# Allegro board 08_038702e.brd (continued)
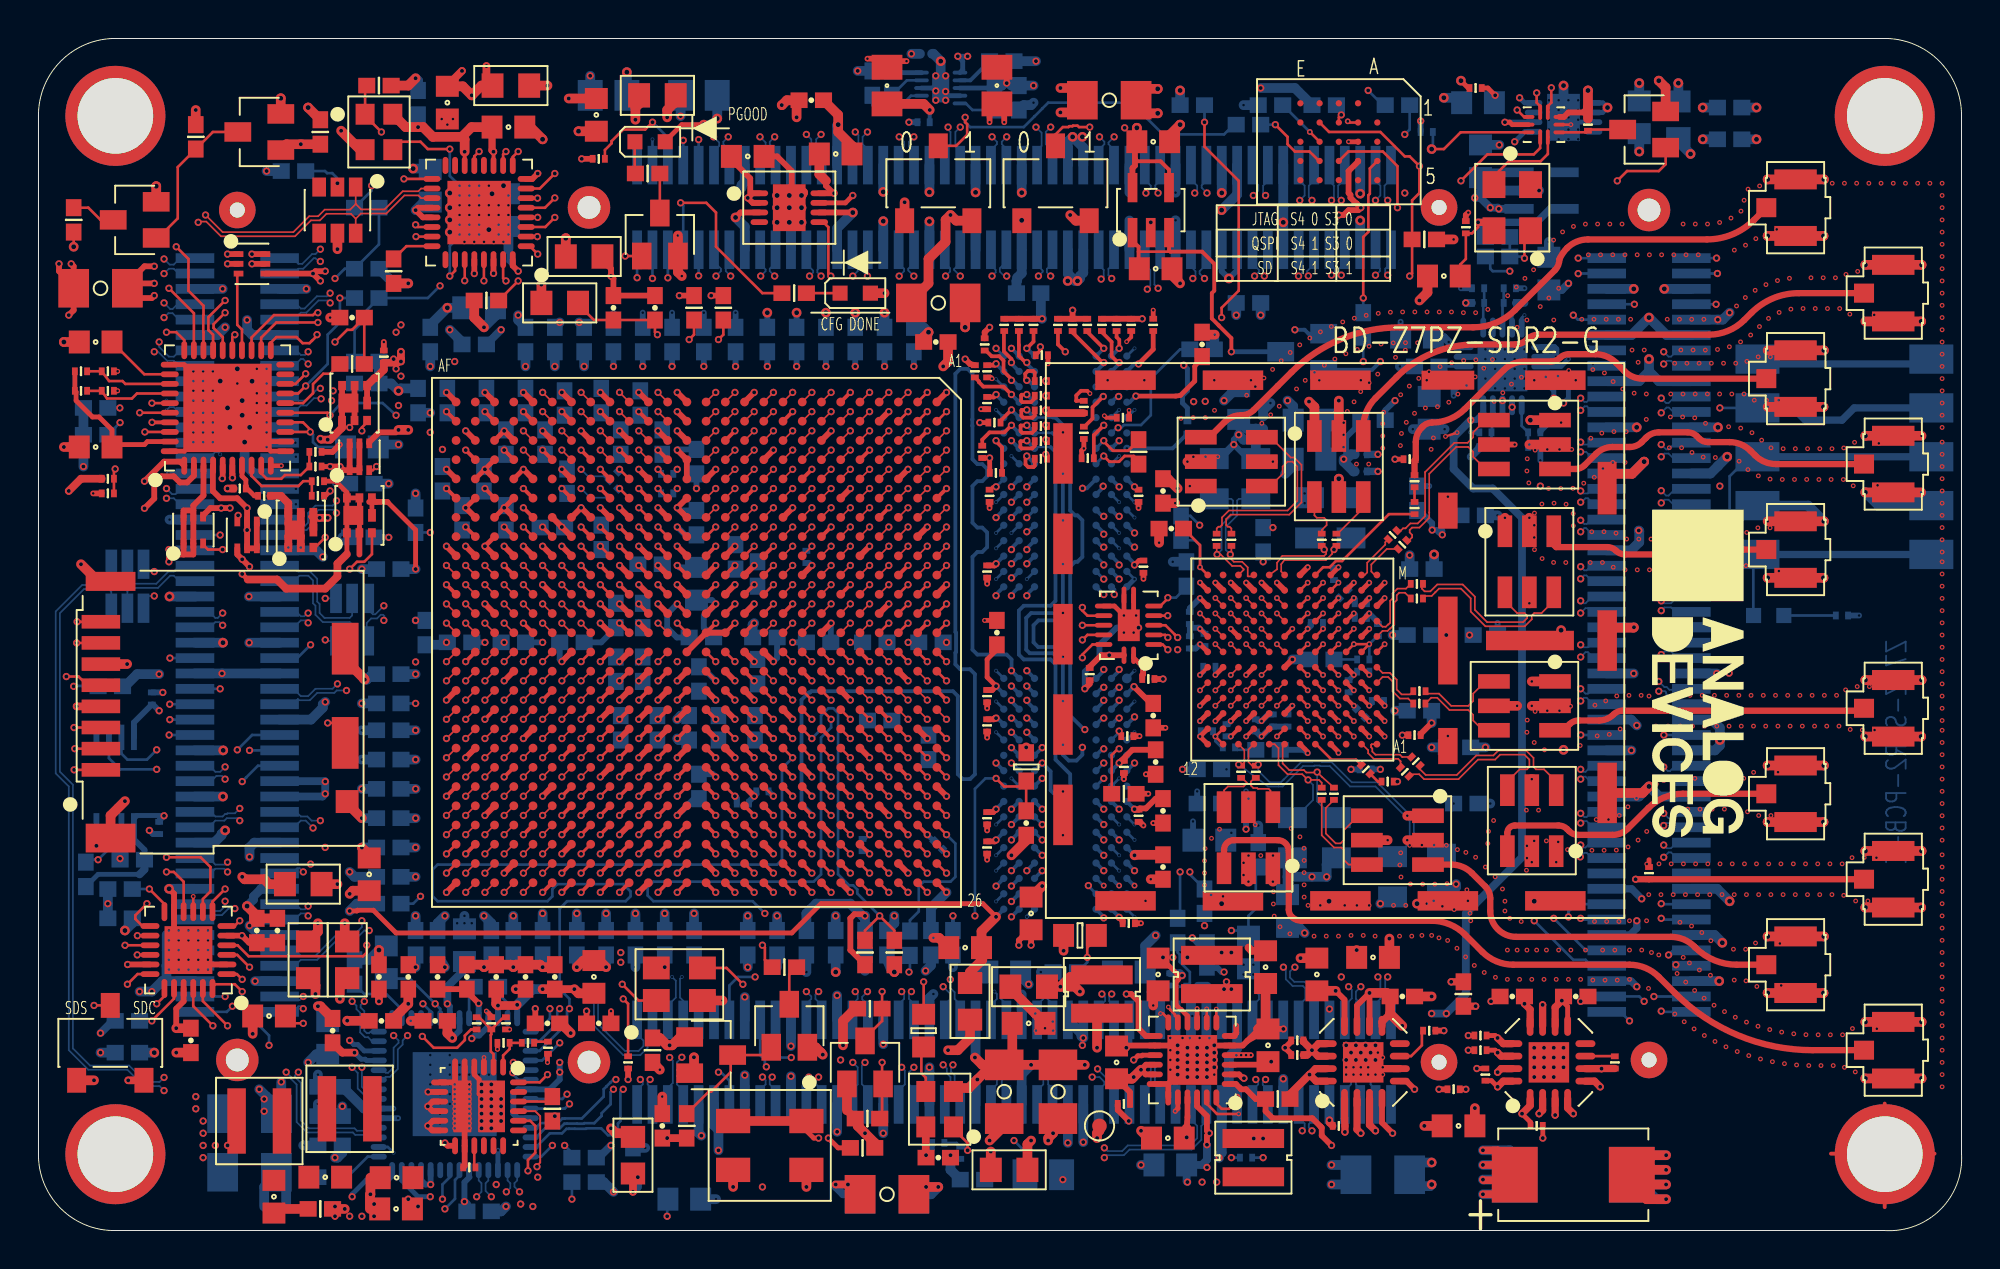
[diagram p0: board, top side]
## Routing (per net, layer and track width the routed paths; a pad name or vN(x,y) marks a point on that pad's centre or on a via; arc(x,y) is an arc through that point) (continued)
  BOTTOM w0.14: U10.30 18.89,11.49 18.09,12.3 16.94,12.3 R50.1
UNNAMED_2_ICUSB3320C_I42_RBIAS: length 2.3
  TOP w0.14: R176.1 19.13,51.19 U15.24
UNNAMED_2_ICUSB3320C_I42_REFCLK: length 4
  TOP w0.14: v1(21.39,49.64) 21.66,49.91 U15.26
  BOTTOM w0.14: R175.1 21.39,51.2 v1(21.39,49.64)
UNNAMED_2_ICXC7Z035_I20_PSMIOVR: length 18
  TOP w0.14: R191.1 44.5,15.6 v1(43.74,16.36) 42.98,15.6 R194.2 ; U1.H18 v1(40.22,25.59)
  BOTTOM w0.14: v1(40.22,25.59) 40.69,26.07 40.69,26.78 41.07,27.16 41.33,27.16 41.58,26.91 41.58,18.53 42.15,17.95 42.37,17.95 42.58,17.74 42.58,17.53 v1(43.74,16.36)
UNNAMED_2_RES_I50_N2: length 6.1
  TOP w0.14: v1(21.39,56.24) 20.25,56.24 19.86,56.62 18.84,56.62 Y3.3
  BOTTOM w0.14: v1(21.39,56.24) 21.39,54.85 22.32,53.92 R175.2
UNNAMED_2_RES_I105_N1: length 2.3
  TOP w0.14: Q4.3 3.23,52.56 2.59,53.19 R18.1
UNNAMED_2_RES_I108_N2: length 8.1
  TOP w0.14: Q4.1 6.22,51.62 7.24,52.64 7.24,55.3 R16.2 9.07,57.13 Q2.3
UNNAMED_2_RES_I112_N1: length 2.1
  TOP w0.14: Q3.3 39.04,13.32 R17.1
UNNAMED_2_RES_I114_N2: length 6.3
  TOP w0.14: R15.2 34.85,7.22 34.98,7.22 35.99,8.24 35.99,9.02 Q1.3 37.7,9.13 Q3.1
UNNAMED_3_ADM1166_I104_A0: length 4.6
  TOP w0.14: U7.33 4.52,44.03 4.37,44.18 3.67,44.18 R38.1 R30.2
UNNAMED_3_ADM1166_I104_A1: length 4.6
  TOP w0.14: R39.2 R40.1 3.56,43.27 4.86,43.27 5.12,43.53 U7.34
UNNAMED_3_ADM1166_I104_DAC1: length 3.2
  TOP w0.14: v1(15.16,42.4) 15.03,42.53 U7.15
  BOTTOM w0.14: R41.1 v1(15.16,42.4)
UNNAMED_3_ADM1166_I104_DAC2: length 4
  TOP w0.14: U7.16 13.76,43.03 14.28,43.55 14.28,44.02 14.81,44.56 15.17,44.56 R42.1
UNNAMED_3_ADM1166_I104_DAC3: length 7.3
  TOP w0.14: U7.17 13.5,43.53 v1(13.9,43.92)
  BOTTOM w0.14: v1(13.9,43.92) 15.04,45.07 15.04,46.59 15.67,47.23 v1(15.67,48.5) R44.1
UNNAMED_3_ADM1166_I104_DAC4: length 15.3
  TOP w0.14: U7.18 13.37,44.03 v1(13.9,44.56)
  L3_SIG w0.095: v1(17.32,54.34) 16.69,54.34 13.94,51.58 13.94,49.44 14.27,49.11 14.27,48.83 14.02,48.59 14.02,46.34 14.66,45.7 14.66,45.07 14.28,44.69 14.02,44.69 v1(13.9,44.56)
  BOTTOM w0.14: v1(17.32,54.34) 17.32,54.08 R45.1
UNNAMED_3_ADM1166_I104_VCCP: length 3.7
  TOP w0.14: U7.32 5.5,44.53 C204.1
UNNAMED_3_ICN25Q256AV2_I216_RES: length 8.2
  TOP w0.14: U13.A4 69.23,55.23 69.23,53.92 69.15,53.84 69.15,51.94 68.89,51.67 v1(68.89,48.5)
  BOTTOM w0.14: R19.2 v1(68.89,48.5)
UNNAMED_3_ICXC7Z035_I94_PSCLK50: length 9.4
  TOP w0.14: U1.B24 v1(46.22,19.59) ; R114.2 v1(46.03,12.94)
  L18_SIG w0.095: v1(46.22,19.59) 45.65,19.02 45.65,13.32 v1(46.03,12.94)
UNNAMED_3_ICXC7Z035_I94_PSMIO12: length 7.7
  TOP w0.14: U1.A23 v1(47.22,20.59)
  BOTTOM w0.14: v1(47.22,20.59) 47.68,20.13 47.68,18.4 47.42,18.14 46.03,18.14 45.77,17.89 45.77,16.59 45.32,16.14 R60.1
UNNAMED_3_RES_I9_N1: length 2.5
  TOP w0.14: Y1.3 46.14,7.95 45.91,8.18 45.91,9.43 R114.1
UNNAMED_3_RES_I30_N2: length 19.3
  TOP w0.14: S3.2 52.88,57 53.27,57.39 53.55,57.39 53.6,57.43 53.77,57.43 53.8,57.46 54.03,57.46 54.1,57.39 v1(54.66,57.39)
  L6_SIG w0.095: v1(69.14,59.29) 64.7,59.29 63.93,58.53 58.85,58.53 58.6,58.78 56.06,58.78 v1(54.66,57.39)
  BOTTOM w0.14: R121.2 69.9,58.53 v1(69.14,59.29)
UNNAMED_3_RES_I33_N2: length 18.6
  TOP w0.14: S4.2 47.72,56.41 48.29,56.98 48.29,57.54 48.19,57.64 v1(48.19,57.89)
  BOTTOM w0.14: 62.28,57.51 62.16,57.51 61.65,57 58.47,57 56.82,58.66 52.5,58.66 52.19,58.34 52.19,58.34 51.8,57.95 51.8,57.95 51.23,57.39 48.44,57.39 48.19,57.64 v1(48.19,57.89)
UNNAMED_3_RES_I237_N2: length 2.9
  TOP w0.14: v1(48.31,4.17) 48.31,4.55 47.58,5.29 Y1.1
  BOTTOM w0.14: R76.2 47.74,4.55 R77.1 48.12,4.36 v1(48.31,4.17)
UNNAMED_4_CN100PODDEVEN_I16_N4: length 6.8
  BOTTOM w0.089: JP3.2 16.31,31.52 16.18,31.64 14.78,31.64 14.4,32.02 14.4,32.49 14.28,32.62 14.28,33.81 14.03,34.06 13.57,34.06 13.29,33.77 JX3.58
UNNAMED_4_CN100PODDEVEN_I16_N5: length 6.8
  BOTTOM w0.089: JX3.60 13.21,34.57 13.51,34.27 14.12,34.27 14.49,33.9 14.49,32.71 14.62,32.58 14.62,32.11 14.87,31.86 16.18,31.86 16.31,31.99 JP4.2
UNNAMED_4_CN100PODDEVEN_I17_N4: length 4.9
  BOTTOM w0.089: JP1.2 4.62,33.25 4.79,33.42 6.22,33.42 6.85,34.06 7.04,34.06 7.32,33.77 JX3.57
UNNAMED_4_CN100PODDEVEN_I17_N5: length 4.8
  BOTTOM w0.089: JX3.59 7.34,34.57 7.04,34.27 6.76,34.27 6.13,33.64 4.75,33.64 4.62,33.76 JP2.2
UNNAMED_5_ICMT41K256M16_I195_ZQ: length 3.1
  TOP w0.14: v1(56.19,25.05) 56.13,25.05 55.81,24.73 R165.1
  BOTTOM w0.14: v1(56.19,25.05) 56.13,25.05 U2.L8
UNNAMED_5_ICMT41K256M16_I196_ZQ: length 7
  BOTTOM w0.14: R166.1 59.36,45.83 57.84,44.3 57.84,42.4 57.33,41.89 56.44,41.89 56.3,41.75 v1(56.14,41.75) 56.07,41.75 U3.L8
UNNAMED_5_ICTPS51206_I120_S3: length 3.4
  BOTTOM w0.14: R222.2 43.36,58.53 43.49,58.4 44.86,58.4 45.14,58.67 45.14,58.78 45.37,59.02 U14.7
UNNAMED_5_ICTPS51206_I120_S5: length 1.9
  BOTTOM w0.14: U14.9 45.16,59.82 R221.2
UNNAMED_5_ICTPS51206_I120_VLDOI: length 2
  BOTTOM w0.203: U14.2 48.46,59.82 R6.2
UNNAMED_5_ICTPS51206_I120_VTTSN: length 1.9
  BOTTOM w0.14: U14.5 48.22,58.62 48.57,58.27 R161.2
UNNAMED_5_ICXC7Z035_I146_PSDD_1: length 14.7
  TOP w0.14: U1.W21 v1(28.22,22.59)
  L4_SIG w0.095: v1(19.61,27.41) 20.12,27.41 20.75,28.05 21.16,28.05 21.56,28.45 21.56,28.47 22.15,29.06 23.42,29.06 23.88,28.61 23.88,26.45 27.07,23.25 27.08,23.25 27.23,23.1 27.71,23.1 v1(28.22,22.59)
  BOTTOM w0.14: R135.1 v1(19.61,27.41)
UNNAMED_5_ICXC7Z035_I146_PSDDRV: length 13.5
  TOP w0.14: U1.V21 v1(29.22,22.59)
  L17_SIG w0.095: v1(29.22,22.59) 28.83,22.21 26.34,22.21 21.38,17.25 21.07,17.25 20.94,17.38 v1(19.86,17.38)
  BOTTOM w0.14: v1(19.86,17.38) 19.48,17 R134.1
UNNAMED_6_CAP_I20_N1: length 49.4
  TOP w0.14: v1(49.79,23.51) 50.21,23.1 51.11,23.1 51.36,23.35 ; 51.36,23.35 C178.1 ; 51.36,23.35 L12.2 ; U1.M18 v1(36.22,25.59)
  L14_SIG w0.095: v1(36.22,25.59) 36.29,25.59 36.76,25.13 37.48,25.13 37.88,24.73 37.88,24.45 38.07,24.25 38.14,24.25 38.15,24.24 49.07,24.24 v1(49.79,23.51)
  L18_SIG w0.095: v1(50.73,4.68) 49.81,3.77 48.21,3.77 47.72,4.26 45.65,4.26 45.43,4.05 44.76,4.05 44.54,4.26 44.54,9.04 47.93,12.43 47.93,13.95 48.69,14.71 v1(48.69,16.36)
  BOTTOM w0.14: v1(50.73,4.68) 51.3,4.11 C251.1 ; v1(48.69,16.36) 48.69,22.97 49.24,23.51 v1(49.79,23.51)
UNNAMED_6_CAP_I222_N1: length 30.1
  TOP w0.14: v1(32.18,46.59) 32.06,46.72 C190.1 C189.1 28.88,47.35 28.06,48.18 E1.2 ; U1.M14 v1(36.22,29.59)
  L15_SIG w0.095: v1(36.22,29.59) 35.72,30.08 32.95,30.08 32.55,29.69 32.55,29.45 32.36,29.25 32,29.25 31.55,29.69 31.55,29.73 31.36,29.93 31.32,29.93 29.88,31.37 29.88,43.77 31.08,44.98 31.08,45.08 31.28,45.28 31.38,45.28 32.18,46.08 v1(32.18,46.59)
UNNAMED_6_CAP_I222_N2: length 33
  TOP w0.203: U1.N13 v1(35.22,31.59) ; U1.M13 v1(36.22,31.59)
  TOP w0.305: C190.2 C189.2 29.9,49.51 v1(29.77,49.64) 29.77,50.02 29.33,50.46 E12.2 ; U1.P14 U1.N13 U1.M13
  L18_SIG w0.254: v1(29.77,49.64) 29.77,47.73 32.06,45.45 32.06,44.69 32.69,44.05 33.45,44.05 33.96,43.54 33.96,39.61 33.45,39.1 33.05,39.1 32.8,38.84 32.8,38.57 32.24,38.01 32.04,38.01 31.8,37.76 31.8,37.57 31.8,37.57 31.8,35.41 32.04,35.17 32.05,35.17 32.18,35.03 33.71,35.03 33.96,34.78 33.96,33.51 34.72,32.75 34.72,32.08 v1(35.22,31.59) v1(36.22,31.59)
UNNAMED_6_DIOLED_I280_N: length 1.8
  TOP w0.14: D4.C R172.1
UNNAMED_6_ICXC7Z035_I180_CFGBVS: length 12.4
  TOP w0.14: U1.T7 v1(31.22,37.59) ; R167.2 34.09,46.59 v1(33.83,46.34)
  L15_SIG w0.095: v1(33.83,46.34) 33.33,46.34 30.66,43.67 30.66,38.14 v1(31.22,37.59)
UNNAMED_6_ICXC7Z035_I180_PROGRA: length 0.7
  TOP w0.14: U1.V9 v1(29.22,35.59)
UNNAMED_7_CAP_I123_N2: length 1
  TOP w0.14: U1.R6 v1(32.22,38.59)
  BOTTOM w0.14: v1(32.22,38.59) 32.37,38.43 C47.2
UNNAMED_7_CAP_I124_N2: length 0.7
  TOP w0.14: U1.U5 v1(30.22,39.59)
UNNAMED_7_CAP_I125_N2: length 1
  TOP w0.14: U1.R5 v1(32.22,39.59)
  BOTTOM w0.14: C45.2 32.37,39.43 v1(32.22,39.59)
UNNAMED_7_CAP_I126_N2: length 0.7
  TOP w0.14: U1.U6 v1(30.22,38.59)
UNNAMED_7_ICXC7Z035_I94_MGTRREF: length 6.6
  TOP w0.14: U1.AB8 v1(25.22,36.59)
  L17_SIG w0.095: v1(25.22,36.59) 25.22,36.57 24.69,36.05 21.13,36.05 20.88,36.3 v1(20.37,36.3)
  BOTTOM w0.14: R10.2 v1(20.37,36.3)
UNNAMED_8_AD9361_I22_RBIAS: length 0.9
  TOP w0.14: v6(67.6,33.69) U17.L4
  BOTTOM w0.14: v6(67.6,33.69) 67.46,33.83 R125.1
UNNAMED_8_AD9361_I22_RXVCOLDOOU: length 3.4
  TOP w0.14: U17.G3 v6(68.4,30.49) v6(69.2,30.49) U17.G2
  BOTTOM w0.14: R124.1 69.2,30.49 v6(69.2,30.49) 69.61,30.91 C13.1
UNNAMED_8_CAP_I19_N1: length 1.2
  BOTTOM w0.14: R124.2 C12.1
UNNAMED_8_CAP_I51_N1: length 1.1
  BOTTOM w0.14: C105.1 62.35,25 R123.2
UNNAMED_8_CAP_I135_N1: length 8.9
  TOP w0.089: C8.1 70.84,36.4 70.96,36.52 71.08,36.52 71.34,36.77 71.72,36.77 72.1,37.16 72.1,37.24 72.1,39.44 73.62,40.96 74.31,40.96 74.6,41.26 74.6,41.51 75.24,42.15 T1.6
UNNAMED_8_CAP_I136_N1: length 8.9
  TOP w0.089: C9.1 71.17,35.92 71.3,35.92 71.43,36.05 71.43,36.18 71.3,36.3 71.3,36.43 71.43,36.56 71.81,36.56 72.32,37.07 72.32,37.33 72.32,39.35 73.71,40.75 74.35,40.75 74.6,40.49 74.6,40.24 75.24,39.61 T1.4
UNNAMED_8_CAP_I137_N1: length 9.3
  TOP w0.089: C10.1 71.84,23.98 72.13,23.69 73.75,23.69 74.77,24.71 75.65,24.71 75.91,24.96 77.36,24.96 77.74,24.58 77.74,24.11 77.87,23.98 78.28,23.98 78.92,23.35 T3.6
UNNAMED_8_CAP_I138_N1: length 9.3
  TOP w0.089: T3.4 76.38,23.35 77.01,23.98 77.4,23.98 77.52,24.11 77.52,24.49 77.27,24.75 76,24.75 75.74,24.49 74.86,24.49 73.84,23.48 72.04,23.48 71.79,23.73 71.37,23.73 C11.1
UNNAMED_8_CAP_I199_N1: length 0.8
  TOP w0.14: R2.2 69.65,23.35 C7.1
UNNAMED_8_CAP_I200_N1: length 0.8
  TOP w0.14: R1.2 C6.1
UNNAMED_8_CAP_I209_N2: length 2.5
  TOP w0.089: T5.6 66.35,37.19 66.47,37.07 66.85,37.07 66.98,36.94 66.98,36.68 66.73,36.43 C25.2
UNNAMED_8_CAP_I210_N2: length 2.5
  TOP w0.089: 68.89,38.14 68.89,37.57 67.55,36.24 C26.2
UNNAMED_8_CAP_I220_N2: length 5.2
  TOP w0.089: C32.2 66.94,21.98 66.94,20.65 67.45,20.14 67.71,20.14 67.87,20.3 67.87,20.81 68.63,21.57 T7.6
UNNAMED_8_CAP_I221_N2: length 5.1
  TOP w0.089: T7.4 68.12,19.03 67.87,19.29 67.87,19.79 67.74,19.92 67.36,19.92 66.73,20.56 C33.2
UNNAMED_8_CAP_I263_N1: length 4.6
  TOP w0.089: T4.6 75.24,28.56 74.6,27.92 74.6,27.54 74.35,27.29 73.46,27.29 72.82,27.92 72.25,27.92 C53.1
UNNAMED_8_CAP_I264_N1: length 4.6
  TOP w0.089: T4.4 75.11,26.02 74.6,26.52 74.6,26.82 74.35,27.07 73.37,27.07 72.73,27.71 72.42,27.71 C56.1
UNNAMED_8_CAP_I265_N1: length 9.3
  TOP w0.089: C51.1 71.93,33.57 71.93,33.38 72.07,33.24 72.38,33.24 72.73,33.6 74.06,33.6 74.69,32.96 74.69,32.28 75.33,31.64 77.2,31.64 77.4,31.85 77.4,31.98 77.27,32.11 76.89,32.11 76.25,32.75 T2.6
UNNAMED_8_CAP_I266_N1: length 9.3
  TOP w0.089: C52.1 72.12,33 72.44,33 72.64,33.2 72.82,33.38 73.97,33.38 74.47,32.87 74.47,32.19 75.24,31.43 77.29,31.43 77.65,31.79 77.65,31.99 77.78,32.11 78.16,32.11 78.79,32.75 T2.4
UNNAMED_8_CAP_I272_N2: length 9.8
  TOP w0.089: C29.2 61.27,36.51 61.36,36.6 61.45,36.6 61.54,36.69 61.54,37.08 61.9,37.45 64.95,37.45 65.46,37.95 65.46,39.73 65.2,39.99 64.95,39.99 64.7,39.73 64.7,39.35 64.06,38.72 T6.6
UNNAMED_8_CAP_I273_N2: length 9.8
  TOP w0.089: T6.4 64.06,41.26 65.11,40.2 65.29,40.2 65.67,39.82 65.67,37.86 65.04,37.23 61.99,37.23 61.76,36.99 61.76,36.69 61.84,36.6 61.94,36.6 62.03,36.51 C30.2
UNNAMED_8_CAP_I284_N2: length 2.7
  TOP w0.089: C35.2 62.58,23.54 62.83,23.29 62.83,23.22 62.79,23.22 62.66,23.1 61.85,23.1 61.65,22.89 T8.4
UNNAMED_8_CAP_I285_N2: length 2.6
  TOP w0.089: T8.6 64.06,22.14 64.06,22.88 63.97,22.97 63.41,22.97 63.37,23.01 63.17,23.01 63.04,23.14 63.04,23.35 63.23,23.54 C34.2
UNNAMED_8_CNBNC3P_I244_CNTR: length 17.2
  TOP w0.33: RX1A.1 90.34,39.86 arc(89.76,39.97) 89.27,40.3 89.02,40.55 arc(88.52,40.89) 87.94,41 86.81,41 arc(86.56,41.05) 86.35,41.19 86.22,41.32 arc(86.01,41.46) 85.76,41.51 84.25,41.51 arc(83.9,41.44) 83.6,41.24 83.55,41.19 83.36,41 arc(83.08,40.81) 82.75,40.75 81.84,40.75 arc(81.38,40.66) 80.99,40.4 80.39,39.79 arc(80.18,39.65) 79.94,39.61 T1.3
UNNAMED_8_CNBNC3P_I245_CNTR: length 15.5
  TOP w0.33: RX2A.1 85.49,22.71 arc(84.53,22.52) 83.72,21.98 82.64,20.9 arc(82.28,20.66) 81.85,20.57 80.06,20.57 arc(79.81,20.62) 79.6,20.77 79.48,20.88 arc(79.28,21.02) 79.05,21.06 76.76,21.06 arc(76.49,20.95) 76.38,20.68 T3.3
UNNAMED_8_CNBNC3P_I246_CNTR: length 29.2
  TOP w0.33: TX1A.1 91.53,48.75 arc(90.2,48.49) 89.08,47.73 88.7,47.35 arc(87.85,46.79) 86.86,46.59 78.01,46.59 arc(77.68,46.52) 77.4,46.34 arc(77.11,46.15) 76.78,46.08 74.73,46.08 arc(72.5,45.64) 70.61,44.38 69.52,43.29 arc(69.05,42.59) 68.89,41.76 68.89,41.32
UNNAMED_8_CNBNC3P_I247_CNTR: length 20.2
  TOP w0.33: TX2A.1 88.3,13.82 arc(87.14,14.06) 86.16,14.71 86.1,14.77 arc(85.54,15.14) 84.89,15.27 76.84,15.27 arc(75.88,15.67) 75.49,16.62 75.49,17.28 arc(75.42,17.61) 75.24,17.89 74.54,18.59 arc(74.05,18.92) 73.46,19.03 T7.3
UNNAMED_8_CNBNC3P_I254_CNTR: length 12
  TOP w0.33: RX1B.1 88.65,35.41 arc(88.5,35.39) 88.38,35.3 arc(88.22,35.2) 88.03,35.16 82.51,35.16 arc(82.24,35.21) 82.02,35.36 arc(81.82,35.49) 81.59,35.54 78.92,35.54 78.79,35.67 T2.3
UNNAMED_8_CNBNC3P_I261_CNTR: length 16.4
  TOP w0.33: RX2B.1 94.8,27.03 82.36,27.03 arc(82.11,26.98) 81.9,26.84 arc(81.55,26.61) 81.14,26.52 80.08,26.52 arc(79.83,26.47) 79.62,26.33 79.3,26.02 T4.3
UNNAMED_8_CNBNC3P_I278_CNTR: length 33.8
  TOP w0.33: T6.3 60.89,41.26 61.67,42.04 arc(62.07,42.31) 62.54,42.4 arc(62.89,42.47) 63.19,42.67 64.44,43.92 65.15,44.64 arc(67.74,46.36) 70.79,46.97 74.6,46.97 arc(75.78,47.21) 76.78,47.88 78.85,49.94 arc(79.02,50.2) 79.09,50.51 arc(79.26,50.82) 79.49,51.09 arc(79.98,51.43) 80.57,51.54 86.76,51.54 arc(88.08,51.81) 89.21,52.56 TX1B.1
UNNAMED_8_CNBNC3P_I290_CNTR: length 40.3
  TOP w0.33: TX2B.1 92.25,9.38 arc(88.38,10.15) 85.1,12.34 84.25,13.2 arc(83.55,13.66) 82.73,13.82 76.69,13.82 arc(75.82,14) 75.08,14.49 74.18,15.39 arc(73.38,15.92) 72.44,16.11 65.68,16.11 arc(65.4,16.17) 65.16,16.32 arc(65.05,16.49) 65.01,16.68 65.01,19.73 arc(64.85,20.13) 64.44,20.3 62.16,20.3 arc(61.8,20.15) 61.65,19.79 T8.3
UNNAMED_8_CNBNC3P_I292_CNTR: length 22.2
  TOP w0.33: R1.1 71.55,40.05 R101.1 71.62,41 arc(71.7,41.41) 71.93,41.76 72,41.83 arc(72.21,41.97) 72.46,42.02 arc(73.38,42.2) 74.17,42.73 76.19,44.75 arc(76.68,45.08) 77.26,45.19 78.65,45.19 arc(78.9,45.24) 79.11,45.38 arc(79.32,45.52) 79.57,45.57 80.96,45.57 arc(81.54,45.46) 82.03,45.13 82.48,44.69 arc(82.9,44.4) 83.4,44.3 TXM1.1
UNNAMED_8_CNBNC3P_I294_CNTR: length 26.4
  TOP w0.33: v1(83.05,18.27) TXM2.1
  L2_GND w0.14: v1(70.66,23.35) 71.3,22.71 71.93,22.71 76.38,18.27 v1(83.05,18.27)
UNNAMED_8_ICFXL4T245_I328_T: length 2.2
  TOP w0.14: U22.6 58.33,32.48 58.73,32.87 v1(58.73,32.91)
  BOTTOM w0.14: R59.1 59.69,33.46 59.15,32.91 v1(58.73,32.91)
UNNAMED_9_ADP238X_I1088_BST: length 1.1
  TOP w0.14: U18.15 22.66,3.34 C253.2
UNNAMED_9_ADP238X_I1088_COMP: length 2
  TOP w0.14: C255.1 C256.1 24.5,9.44 24.16,9.11 U18.1
UNNAMED_9_ADP238X_I1088_RT: length 1.9
  TOP w0.14: R78.1 26.46,6.71 U18.22
UNNAMED_9_ADP238X_I1088_SS: length 13.7
  TOP w0.14: v1(26.47,8.11) 26.07,7.71 U18.24
  L3_SIG w0.095: v1(32.69,0.74) 32.18,1.25 32.18,2.65 31.55,3.28 29.52,3.28 28.5,4.3 28.5,4.93 26.85,6.59 26.85,7.73 v1(26.47,8.11)
  BOTTOM w0.14: C252.1 32.69,1.59 v1(32.69,0.74)
UNNAMED_9_ADP238X_I1088_SW1: length 9.7
  TOP w0.102: v2(22.4,7.6) 22.04,7.23 U18.PAD2
  TOP w0.305: U18.5 22.16,6.58 U18.PAD2 ; 21.66,7.73 21.66,6.83 U18.PAD2 ; 21.66,7.73 U18.6 ; 21.66,7.73 21.64,7.71 U18.7 ; C253.1 22.16,3.36 U18.14 22.16,6.33 U18.PAD2
  vias: v2(21.64,7.6) v2(21.64,7.35) v2(21.64,7.09) v2(21.64,6.84) v2(21.64,6.59) v2(21.64,6.33) v2(21.64,6.08) v2(21.64,5.82) v2(21.64,5.57) v2(21.64,5.32) v2(22.4,7.35) v2(22.4,7.09) v2(22.4,6.84) v2(22.4,6.59) v2(22.4,6.33) v2(22.4,6.08) v2(22.4,5.82) v2(22.4,5.57) v2(22.4,5.32) v3(22.02,7.6) v3(22.02,7.22) v3(22.02,6.84) v3(22.02,6.46) v3(22.02,6.08) v3(22.02,5.7) v3(22.02,5.32)
UNNAMED_9_ADP238X_I1088_VREG: length 11.9
  TOP w0.14: v2(23.17,9) 23.16,8.99 U18.3
  L2_GND w0.203: v3(23.17,8.57) v2(23.17,9)
  L17_SIG w0.095: v3(23.17,8.57) 23.17,8.49 25.33,6.33 25.33,3.46 25.11,3.25 25.11,2.97 25.33,2.75 25.33,2.27 25.96,1.63 v1(27.74,1.63)
  BOTTOM w0.14: C254.1 v1(27.74,1.63)
UNNAMED_9_ADP1754_I1076_SS: length 2.2
  TOP w0.14: U19.7 71.37,9.07 71.93,9.63 71.93,10.33 C311.1
UNNAMED_9_ADP1754_I1077_SS: length 1.5
  TOP w0.14: U20.7 81.96,9.07 C340.1
UNNAMED_9_CAP_I1113_N2: length 1.9
  TOP w0.508: R80.1 12.46,1.12 C257.2
UNNAMED_9_CAP_I1135_N2: length 0.7
  TOP w0.14: C255.2 25.82,9.81 25.9,9.82 R79.1
UNNAMED_9_DIOLED_I1083_N: length 1.7
  TOP w0.14: R113.1 31,55.01 31,56.62 D3.C
UNNAMED_9_RES_I987_N2: length 2.1
  TOP w0.14: 32.31,54.97 Q14.3
UNNAMED_10_AD7291_I1_AS0: length 2.1
  BOTTOM w0.14: R66.1 R65.2 75.13,48.19 U24.11
UNNAMED_10_AD7291_I1_AS1: length 2.1
  BOTTOM w0.14: U24.13 76.13,48.18 R63.2 R64.1
UNNAMED_10_AD7291_I1_DCAP: length 1.3
  BOTTOM w0.14: U24.8 C133.1
UNNAMED_10_AD7291_I1_VIN3: length 2.3
  BOTTOM w0.14: R67.2 R68.1 77.13,41.84 U24.1
UNNAMED_10_AD7291_I1_VIN6: length 2.2
  BOTTOM w0.14: U24.4 75.63,42.24 75.58,42.19 75.58,41.54 R62.1 R61.2
UNNAMED_10_AD7291_I1_VREF: length 2.2
  BOTTOM w0.14: C158.1 72.99,44.05 73.2,44.05 73.59,44.44 U24.7
UNNAMED_10_ADG772_I61_D1: length 45.4
  TOP w0.14: U5.2 78.08,56.3 77.75,55.96 75.34,55.96 v1(73.97,54.59)
  L7_SIG w0.095: v1(73.97,54.59) 73.08,55.48 72.44,55.48 71.62,56.31 71.62,57.19 71.43,57.39 70.16,57.39 69.52,56.75 65.71,56.75 64.44,58.02 63.81,58.02 63.43,57.64 63.43,56.37 63.93,55.86 64.57,55.86 65.33,55.1 65.33,53.8 65.18,53.65 65.18,49.5 65.33,49.35 65.33,47.35 64.06,46.08 61.65,46.08 61.14,45.57 61.14,42.53 60.89,42.27 60.89,37.83 60.38,37.32 v1(60.38,36.68)
  BOTTOM w0.14: v1(60.38,36.68) 59.89,37.17 C216.1
UNNAMED_10_ADG772_I61_IN1: length 3.3
  TOP w0.14: Q6.3 80.63,57.26 R33.2 80.49,57.11 U5.4
UNNAMED_10_ADG772_I61_S1B: length 4.6
  TOP w0.14: U5.3 78.48,55.99 78.11,55.61 76.46,55.61 75.68,54.84 Y4.3
UNNAMED_10_ADM7160_I78_VOUT: length 10.1
  TOP w0.14: v1(74.86,52.43) 74.86,52.18 74.54,51.86 C113.1 74.22,50.53 73.93,50.24 C5.1
  TOP w0.381: Y4.4 75.25,52.43 v1(74.86,52.43)
  BOTTOM w0.381: R55.1 75.24,52.05 v1(74.86,52.43) 77.9,52.43 78.6,53.13 U8.5
UNNAMED_10_CN10PAB_I48_N5A: length 9.3
  BOTTOM w0.381: P1.B5 98.17,45.07 89.64,45.07 P1.A5
UNNAMED_10_DIOLED_I52_N: length 2.7
  BOTTOM w0.14: DS1.C R75.1
UNNAMED_10_RES_I53_N2: length 3.4
  TOP w0.14: Y4.1 77.34,51.75 77.27,51.54 v1(77.27,50.57)
  BOTTOM w0.14: R55.2 R54.2 77.18,50.65 v1(77.27,50.57)
USB_ID: length 25.8
  TOP w0.14: U15.23 v1(19.63,51.69)
  L3_SIG w0.095: v1(19.63,51.69) 19.63,47.12 18.09,45.57 18.09,39.35 17.32,38.59 17.32,37.45 16.44,36.56 11.99,36.56 11.52,36.09 10.71,36.09 10.62,36.18 9.45,36.18 v1(9.45,36.17)
  BOTTOM w0.14: JX3.63 v1(9.45,36.17)
USB_OTG_CPEN: length 20.5
  TOP w0.14: U15.17 v1(19,54.69)
  L3_SIG w0.095: v3(14.02,38.46) 14.15,38.59 14.19,38.59 14.78,39.18 14.78,39.86 15.8,40.88 15.8,44.2 16.08,44.48 16.08,51.76 v1(19,54.69)
  L19_GND w0.203: v3(14.02,38.46) 13.91,38.57 v4(13.39,38.57)
USB_OTG_N: length 32.1
  TOP w0.089: 16.5,52.62 16.77,52.89 18.09,52.89 19.03,53.83 19.76,53.83 19.9,53.69 U15.19 ; 16.5,52.62 U16.6 ; 16.5,52.62 16.5,52.63 16.24,52.88 14.97,52.88 14.63,52.53 14.17,52.53 13.34,51.71 9.49,51.71 8.73,52.47 8.35,52.47 v1(8.31,52.43)
  L3_SIG w0.089: v1(6.66,38.59) 6.91,38.34 7.04,38.34 7.16,38.46 7.29,38.46 7.42,38.34 7.55,38.34 8.69,39.48 8.69,52.31 8.56,52.43 v1(8.31,52.43)
  BOTTOM w0.089: v1(6.66,38.59) 6.95,38.3 7.13,38.3 7.4,38.57 JX3.69
USB_OTG_P: length 32.2
  TOP w0.089: 16.5,53.39 U16.1 ; 16.5,53.39 16.5,53.38 16.21,53.09 14.89,53.09 14.54,52.75 14.08,52.75 13.25,51.92 9.58,51.92 v1(8.69,52.81) ; 16.5,53.39 16.78,53.11 18,53.11 18.94,54.05 19.76,54.05 19.9,54.19 U15.18
  L3_SIG w0.089: v1(6.66,38.08) 7.65,38.08 8.94,39.37 8.94,52.56 v1(8.69,52.81)
  BOTTOM w0.089: v1(6.66,38.08) 7.04,38.08 7.35,37.77 JX3.67
USB_VBUS_OTG: length 19.7
  TOP w0.14: U15.22 19.73,52.19 v1(19.61,52.31)
  L3_SIG w0.095: v1(19.61,52.31) 18.85,52.31 17.2,50.65 17.2,39.48 16.69,38.97 15.17,38.97 14.66,38.46 14.53,38.46 v3(14.02,37.95)
  L19_GND w0.203: v4(13.39,37.77) 13.84,37.77 v3(14.02,37.95)
V_0_N: length 39.5
  TOP w0.14: U1.P13 v1(33.22,31.59)
  L18_SIG w0.095: v1(9.7,12.17) 9.7,13.95 10.34,14.59 10.85,14.59 13.51,17.25 14.53,17.25 14.66,17.13 18.09,17.13 19.23,18.27 19.23,18.65 20.12,19.54 20.12,23.73 20.63,24.24 20.63,24.62 21.01,25 22.4,25 22.66,25.25 22.66,25.51 22.88,25.73 22.88,25.73 23.07,25.93 23.08,25.93 23.29,26.14 25.33,26.14 25.88,26.69 25.88,26.73 26.07,26.93 26.11,26.93 26.72,27.54 26.72,30.08 27.61,30.97 32.6,30.97 v1(33.22,31.59)
  BOTTOM w0.14: JX3.3 v1(9.7,12.17)
V_0_P: length 41.7
  TOP w0.14: U1.N14 v1(35.22,29.59)
  L18_SIG w0.095: v1(35.22,29.59) 34.6,30.21 27.99,30.21 27.74,29.95 27.74,27.63 26.36,26.25 26.32,26.25 25.71,25.64 25.71,25.51 25.45,25.25 25.07,25.25 24.88,25.45 24.55,25.45 24.36,25.25 24.07,25.25 23.88,25.45 23.55,25.45 22.09,23.98 21.01,23.98 20.75,23.73 20.75,22.97 20.5,22.71 20.5,18.81 18.57,16.87 17.07,16.87 16.44,16.24 16.44,16 15.79,15.35 13.13,15.35 11.8,14.01 11.8,11.98 11.48,11.67 v1(10.09,11.67)
  BOTTOM w0.14: v1(10.09,11.67) 9.79,11.37 JX3.1
VH: length 75.2
  TOP w0.14: 58.85,50.91 57.2,50.91
  TOP w0.203: C247.1 57.2,50.06 57.2,51.16 56.89,51.48 U23.1 ; U23.3 58.79,50.97 58.85,50.91 60.5,50.91 61.14,50.27 61.14,48.88 61.01,48.75 61.01,47.43 61.37,47.07 61.37,47.07 62.03,46.41 v1(62.03,45.7)
  TOP w0.254: U7.10 v2(12.63,39.78)
  L2_GND w0.406: v2(12.63,39.78) 14.12,39.78 14.53,40.18 v3(14.53,40.49)
  L6_SIG w0.203: v1(62.03,45.7) 58.73,45.7 57.71,44.69 57.38,44.69 57.37,44.67 57.04,44.67 57.03,44.69 49.96,44.69 49.96,44.69 49.63,44.69 49.63,44.69 47.93,44.69 47.17,45.45 39.04,45.45 38.79,45.19 38.79,43.54 38.41,43.17 38.16,43.17 37.63,42.64 37.63,42.41 37.2,41.98 37.05,41.98 36.82,41.75 36.82,41.6 36.2,40.98 36.05,40.98 35.82,40.75 35.82,40.6 35.2,39.98 35.05,39.98 33.82,38.75 33.82,38.6 33.2,37.98 33.05,37.98 32.82,37.75 32.82,37.6 32.2,36.98 32.05,36.98 31.82,36.75 31.82,36.6 31.2,35.98 31.05,35.98 30.82,35.75 30.82,35.6 30.25,35.03 19.99,35.03 16.94,38.08 16.94,39.73 16.18,40.49 v3(14.53,40.49)
  BOTTOM w0.254: D1.3 v1(62.03,45.7)
VTT_0P75: length 43.2
  TOP w0.254: R163.2 v1(49.46,40.18) R162.2 ; R152.2 v1(48.95,42.02) ; R156.2 52.44,40.3 v1(52.38,40.37) ; R149.2 v2(54.36,40.67) 54.24,40.56 R147.2
  TOP w0.305: v1(50.34,59.67) 50.34,60.05 49.9,60.5 C79.1 ; R148.2 R151.2 ; R148.2 v1(53.77,47.86) ; R148.2 R137.2 ; v1(49.46,46.97) 49.2,46.72 R141.2 ; v1(57.39,47.42) R140.2 R145.2 R143.2 ; v1(48.19,45.32) 48.44,45.07 R139.2 ; R144.2 R146.2 R150.2 v1(52.19,47.42)
  TOP w0.406: v1(52.38,42.65) 52.52,42.51 R153.2
  L2_GND w0.406: v1(52.38,40.37) 52.68,40.67 v2(54.36,40.67)
  L10_POWER w0.406: v1(76.63,42.82) 76.2,42.4 75.62,42.4 72.06,45.96 68.25,45.96 67.3,45 v1(59.55,45)
  BOTTOM w0.203: R161.1 49.33,59.42
  BOTTOM w0.254: U24.2 v1(76.63,42.82) ; v1(59.55,45) 59.74,44.81 59.74,43.67 59.49,43.42 59.49,43.03 59.74,42.78 R160.2 ; 49.33,59.42 U14.3
  BOTTOM w0.508: R161.1 50.09,59.54 50.22,59.67 v1(50.34,59.67) 50.47,59.67 50.6,59.54 C80.1 v1(51.74,59.54) ; v1(52.19,47.42) 52.12,47.48 C101.1
  vias: v1(52.38,44.18) v1(52.38,43.42) v1(52.38,41.89) v1(52.38,41.13)
VTTVREF: length 129.8
  TOP w0.14: v1(49.79,38.68) 49.61,38.68 C102.1 ; U1.M21 v1(36.22,22.59) ; U1.K21 v1(38.22,22.59)
  TOP w0.203: v1(56.19,25.98) 56.19,25.91 56.3,25.81 C123.2 ; C122.2 55.53,42.27 v2(55.42,42.37)
  TOP w0.305: v1(49.79,21.91) 49.64,21.76 C103.1
  TOP w0.508: v1(46.34,58.27) 46.03,58.59 C81.1
  L2_GND w0.203: v3(57.2,42.22) 55.86,42.22 55.7,42.37 v2(55.42,42.37)
  L4_SIG w0.102: 56.19,25.91 v1(56.19,25.98) ; v1(49.79,21.91) 49.8,21.91 ; 54.79,22.33 55.04,22.58 55.67,22.58 56.6,23.51
  L4_SIG w0.203: 54.79,22.33 51.16,22.33 51.11,22.29 50.78,22.29 50.76,22.31 50.43,22.31 50.41,22.29 50.17,22.29 49.8,21.91 ; 56.6,23.51 56.6,24.48 56.65,24.53 56.65,25.46 56.19,25.91 ; v3(57.2,42.22) 57.2,42.27 57.58,42.65 61.79,42.65 61.92,42.78 64.31,42.78 64.44,42.65 73.33,42.65 74.09,43.42 75.36,43.42 75.62,43.16 v1(76.13,43.16)
  L9_POWER w0.203: v3(57.2,42.22) 55.86,42.22 55.68,42.4 54.79,42.4 53.65,41.26 53.65,39.86 53.27,39.48 50.6,39.48 49.8,38.68 v1(49.79,38.68)
  L15_SIG w0.203: v3(57.2,42.22) 57.2,41.89 57.22,41.88 57.22,41.65 57.46,41.41 57.46,37.44 56.6,36.58 56.6,34.45 56.69,34.36 56.69,33 55.3,31.6 55.3,30.08 55,29.78 55,28.09 55,28.09 55,27.41 55.23,27.18 55.53,27.18 55.8,26.91 55.8,26.49 56.13,26.16 56.13,26.04 v1(56.19,25.98)
  L15_SIG w0.305: v1(36.22,22.59) 36.66,23.03 37.77,23.03 v1(38.22,22.59) 38.72,22.08 47.42,22.08 47.59,21.91 v1(49.79,21.91)
  L18_SIG w0.203: v1(76.13,43.16) 75.36,43.92 75.36,48.24 76,48.88 76,49.46 76.01,49.48 76.01,49.8 76,49.81 76,50.78 76.76,51.54 76.76,53.83 75.11,55.48 73.2,55.48 72.57,54.85 70.92,54.85 70.03,55.73 52.38,55.73 49.71,58.4 47.34,58.4 47.33,58.39 46.46,58.39 v1(46.34,58.27)
  L19_GND w0.14: v3(57.2,42.22) 56.65,42.22 v4(56.19,42.68)
  BOTTOM w0.14: U3.H1 v1(49.79,38.68) ; U3.M8 v4(56.19,42.68) ; U2.M8 56.19,25.91 v1(56.19,25.98)
  BOTTOM w0.203: C84.1 v1(46.34,58.27) 46.34,58.41 46.14,58.62 U14.6 ; U2.H1 v1(49.79,21.91)
  BOTTOM w0.254: U24.3 v1(76.13,43.16)
  BOTTOM w0.305: v1(36.22,22.59) 36.31,22.49 C77.1 ; v1(38.22,22.59) 37.96,22.84 C76.1
